# KiCad board MothBox_5.0.3.kicad_pcb (continued)
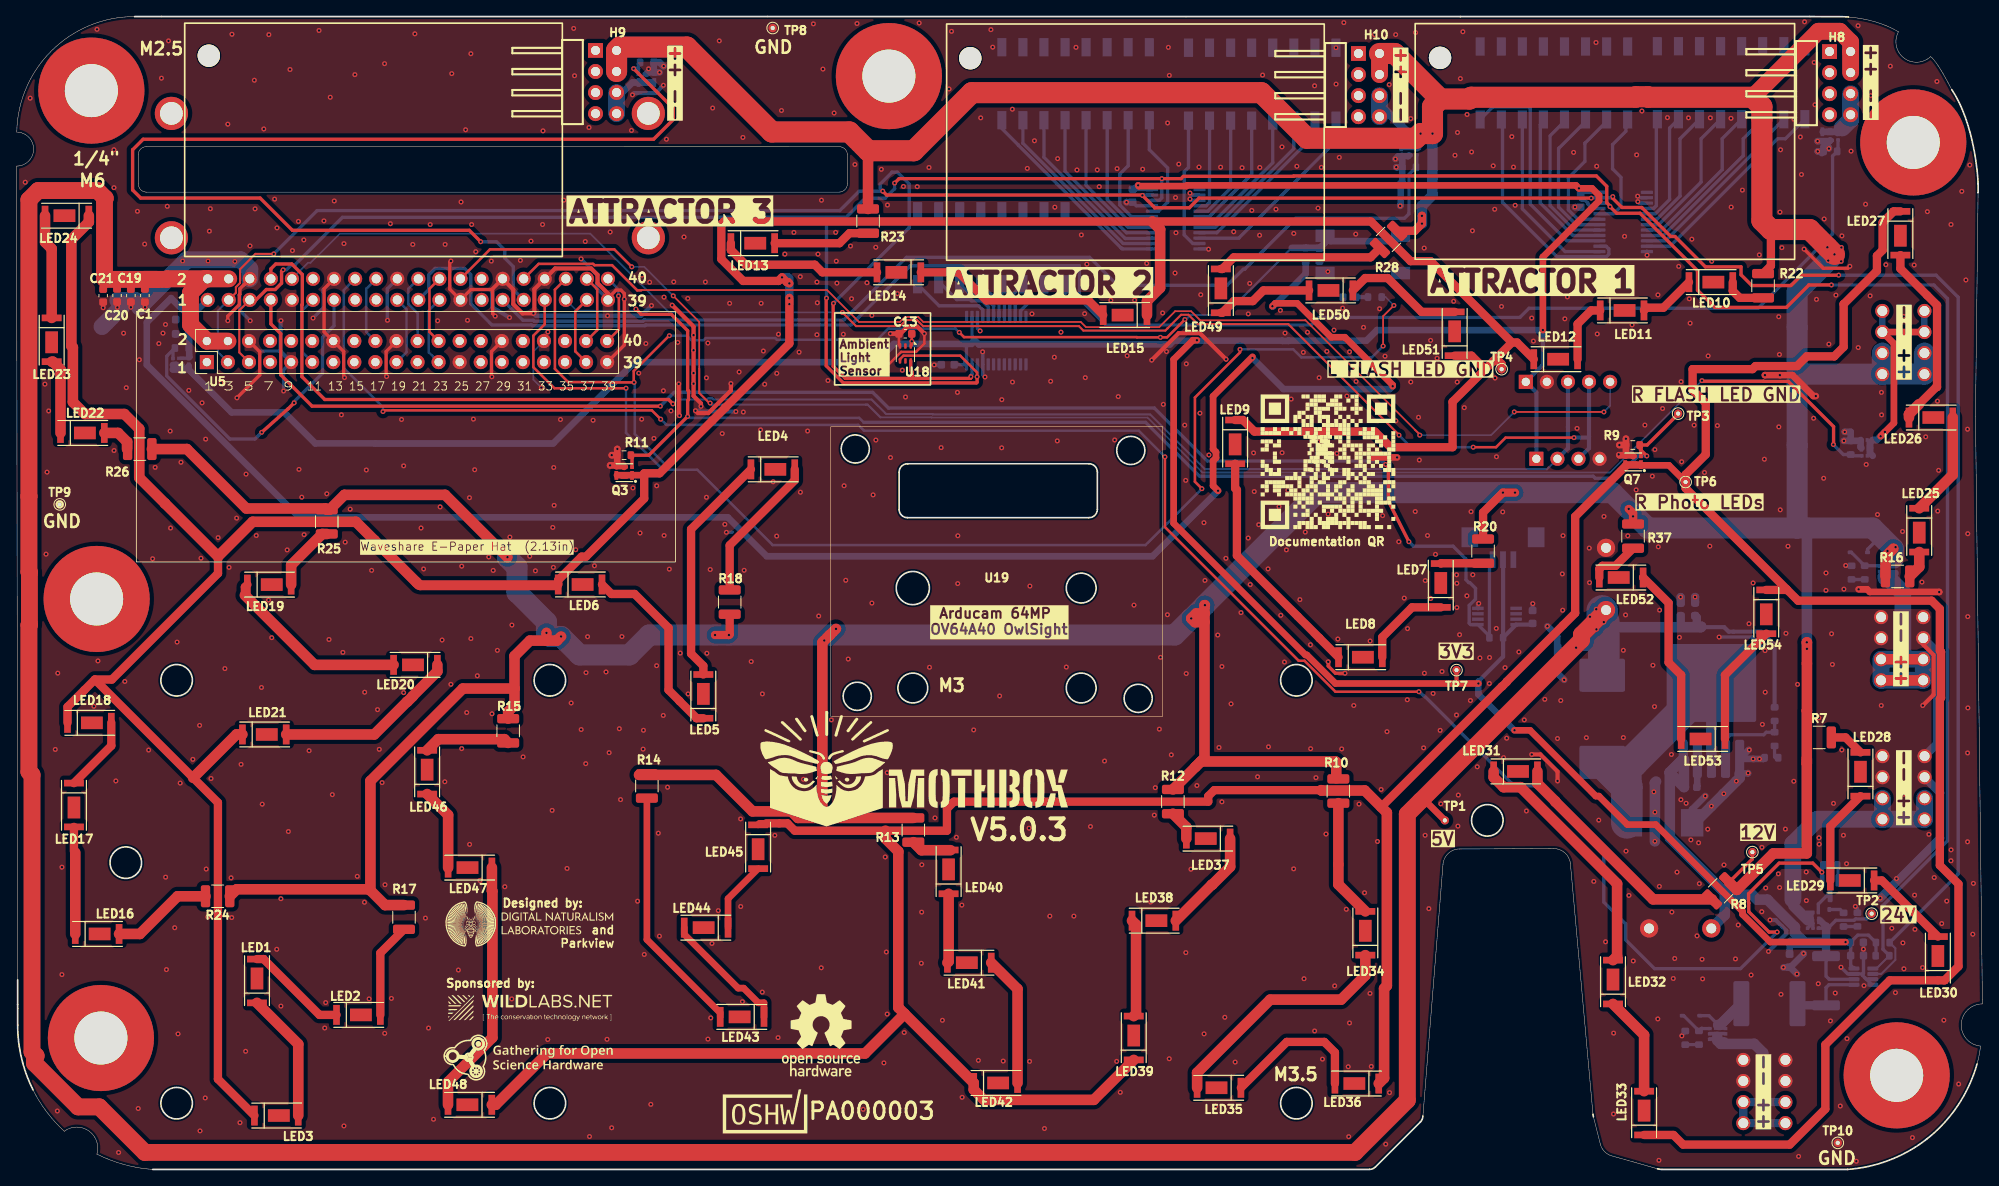
[diagram p0: board, top side]
## Routing (per net, layer and track width the routed paths; a pad name or vN(x,y) marks a point on that pad's centre or on a via; arc(x,y) is an arc through that point) (continued)
/GPS and Switches and Light Sensor/Armed/Disarmed: length 25.1
  Bottom w0.4: U11.16 118.78,125.53 120.77,123.54 120.77,123.51 133.18,111.11 133.2,111.11 133.3,111.01 U15.13
/GPS and Switches and Light Sensor/Attractor_1: length 4.8
  Bottom w0.4: 118.44,102.81 118.44,104.32 117.49,105.27 117.49,105.5 U12.13
/GPS and Switches and Light Sensor/Attractor_2: length 4.1
  Bottom w0.4: 119.09,102.81 119.09,104.96 118.78,105.27 U12.12
/GPS and Switches and Light Sensor/Attractor_3: length 4.6
  Bottom w0.4: 119.74,102.81 119.74,104.42 120.16,104.84 120.16,105.58 U12.11
/GPS and Switches and Light Sensor/C1: length 6.8
  Bottom w0.4: U12.10 123.71,106.59 123.71,105.21 123.7,105.19 121.29,105.19 120.39,104.29 120.39,102.81
/GPS and Switches and Light Sensor/C2: length 8.4
  Bottom w0.4: U12.9 126.4,105.14 125.9,104.64 122.14,104.64 121.04,103.54 121.04,102.81
/GPS and Switches and Light Sensor/Fri: length 19.7
  Bottom w0.4: U11.13 126.4,120.36 133.8,112.96 U15.16
/GPS and Switches and Light Sensor/HI/LOW_PWR: length 8.4
  Bottom w0.4: 117.14,102.81 117.14,104.01 116.41,104.74 115.12,104.74 114.96,104.89 113.34,104.89 111.49,106.74 U12.15 111.23,106.68
/GPS and Switches and Light Sensor/Hour_1: length 11.7
  Bottom w0.4: U9.4 197.35,115.88 197.69,116.22 197.69,126.52 U13.16
/GPS and Switches and Light Sensor/Hour_2: length 13.6
  Bottom w0.4: U9.5 197.55,115.23 199.29,116.97 199.29,125.57 U13.15
/GPS and Switches and Light Sensor/Hour_3: length 15.4
  Bottom w0.4: U9.6 197.75,114.58 200.54,117.37 200.54,124.29 U13.14
/GPS and Switches and Light Sensor/Hour_4: length 17.2
  Bottom w0.4: U13.13 203.08,124.29 203.08,119.06 197.95,113.93 U9.7
/GPS and Switches and Light Sensor/Hour_5: length 19.1
  Bottom w0.4: U9.8 198.35,113.28 205.62,120.56 205.62,124.29 U13.12
/GPS and Switches and Light Sensor/Hour_6: length 21
  Bottom w0.4: U9.9 198.55,112.63 208.16,122.25 208.16,124.29 U13.11
/GPS and Switches and Light Sensor/Hour_7: length 22.8
  Bottom w0.4: U13.10 210.7,124.29 210.7,123.9 198.79,111.98 U9.10
/GPS and Switches and Light Sensor/Hour_8: length 25.4
  Bottom w0.4: U9.11 199.35,111.33 212.31,124.29 213.24,124.29 U13.9
/GPS and Switches and Light Sensor/Hour_9: length 28.5
  Bottom w0.4: U14.16 177.96,128.12 182.49,128.12 182.49,116.41 186.91,111.98 U9.15
/GPS and Switches and Light Sensor/Hour_10: length 27.6
  Bottom w0.4: U14.15 179,126.37 179.14,126.22 179.14,116.63 185.69,110.08 191.68,110.08 191.97,110.37 191.97,110.99 191.63,111.33 U9.14
/GPS and Switches and Light Sensor/Hour_11: length 22.2
  Bottom w0.4: U9.13 186.69,110.68 181.54,115.83 U14.14
/GPS and Switches and Light Sensor/Hour_12: length 19
  Bottom w0.4: U9.16 187.62,112.63 183.7,116.55 183.7,126 184.08,126.37 U14.13
/GPS and Switches and Light Sensor/Hour_13: length 18.3
  Bottom w0.4: U9.17 187.82,113.28 184.88,116.22 184.88,124.64 186.62,126.37 U14.12
/GPS and Switches and Light Sensor/Hour_14: length 17.7
  Bottom w0.4: U9.18 188.02,113.93 185.9,116.05 185.9,123.12 189.16,126.37 U14.11
/GPS and Switches and Light Sensor/Hour_15: length 17
  Bottom w0.4: U14.10 191.7,126.37 189.08,123.75 189.08,121.55 187.08,119.55 187.08,115.72 188.22,114.58 U9.19
/GPS and Switches and Light Sensor/Hour_16: length 14.6
  Bottom w0.4: U14.9 194.02,126.4 194.02,125.2 192.41,123.59 192.41,120.65 193.43,119.63 193.43,116.17 192.48,115.23 U9.20
/GPS and Switches and Light Sensor/Hour_17: length 11.2
  Bottom w0.4: U10.15 143.83,116.62 143.41,116.21 U15.4
/GPS and Switches and Light Sensor/Hour_18: length 13.1
  Bottom w0.4: U15.5 143.61,115.56 146.37,118.31 U10.14
/GPS and Switches and Light Sensor/Hour_19: length 14.9
  Bottom w0.4: U15.6 143.81,114.91 148.91,120 U10.13
/GPS and Switches and Light Sensor/Hour_20: length 16.9
  Bottom w0.4: U15.7 144.3,114.26 151.45,121.4 U10.12
/GPS and Switches and Light Sensor/Hour_21: length 18.7
  Bottom w0.4: U15.8 144.5,113.61 153.99,123.09 U10.11
/GPS and Switches and Light Sensor/Hour_22: length 20.5
  Bottom w0.4: U10.10 156.53,124.78 144.7,112.96 U15.9
/GPS and Switches and Light Sensor/Hour_23: length 23.8
  Bottom w0.4: U15.10 147.35,112.31 159.07,124.02 U10.9
/GPS and Switches and Light Sensor/Hour_24: length 16.3
  Bottom w0.4: U15.11 141.81,111.66 140.76,112.71 140.76,120.31 141.29,120.83 U10.16
/GPS and Switches and Light Sensor/INT/EXT_Attractor: length 6.6
  Bottom w0.4: U12.14 114.95,105.49 115.34,105.49 115.34,105.29 116.64,105.29 117.79,104.14 117.79,102.81
/GPS and Switches and Light Sensor/Mon: length 13.1
  Bottom w0.4: U15.20 137.68,115.56 138.77,116.64 138.77,120.76 136.56,122.98 U11.9
/GPS and Switches and Light Sensor/Sat: length 21.6
  Bottom w0.4: U11.14 123.86,122.05 133.65,112.26 136.9,112.26 136.9,112.29 U15.15
/GPS and Switches and Light Sensor/Sun: length 23.4
  Bottom w0.4: U15.14 133.4,111.66 121.32,123.74 U11.15
/GPS and Switches and Light Sensor/Test_Debug: length 10
  Bottom w0.4: 116.49,102.81 116.49,103.64 115.99,104.14 111.22,104.14 U12.16
/GPS and Switches and Light Sensor/Thur: length 17.9
  Bottom w0.4: U15.17 134,113.61 128.94,118.67 U11.12
/GPS and Switches and Light Sensor/Tue: length 15.1
  Bottom w0.4: U11.10 134.02,121.04 133.01,120.03 133.01,116.3 134.4,114.91 U15.19
/GPS and Switches and Light Sensor/Wed: length 16.1
  Bottom w0.4: U11.11 131.48,116.98 134.2,114.26 U15.18
/RPI5/Save for eink_11: length 8.5
  Bottom w0.305: 35.65,97.35 34.44,98.55 34.44,103.57 U7.12
/RPI5/Save for eink_18: length 8.5
  Bottom w0.305: 43.27,99.89 42.15,101 42.15,106.19 U7.17
/RPI5/Save for eink_19: length 8.5
  Bottom w0.305: U7.20 47.01,103.74 47.01,98.55 45.81,97.35
/RPI5/Save for eink_22: length 8.5
  Bottom w0.305: U7.21 47.23,106.19 47.23,104.36 48.35,103.24 48.35,99.89
/RPI5/Save for eink_23: length 8.5
  Bottom w0.305: 50.89,97.35 49.68,98.55 49.68,103.57 U7.24
/RPI5/Save for eink_24: length 8.5
  Top w0.305: U7.23 49.77,106.19 49.77,101 50.89,99.89
/RPI5/Save for relay: length 8.6
  Top w0.305: 68.67,99.89 70,101.22 70,106.14 68.75,107.39 U7.37
/RPI5/Save for relay 2: length 8.6
  Top w0.305: v1(72.57,105.33) 72.61,105.29 72.61,101.29 71.21,99.89
  Bottom w0.305: v1(72.57,105.33) 72.57,106.13 U7.39
/RPI5/Save for relay 3: length 8.6
  Top w0.305: U7.38 67.35,103.45 67.35,98.66 68.67,97.35
EN_12VReg: length 245.2
  Top w0.305: v1(169.06,57.61) 159,57.61 155.27,61.34 154.57,61.34 138.44,77.47 v1(138.44,85.93) ; v1(77.65,90.47) 76.59,91.54 44.32,91.54 v1(44.18,91.39)
  Top w0.4: v1(212.25,28.62) 211.28,28.62 208.83,31.07 208.83,32.1 208.81,32.13 208.81,33.24 212.5,36.93 216.55,36.93 v1(217.64,35.84)
  Bottom w0.305: v1(77.65,90.47) 78.34,89.79 101.46,89.79 102.17,89.08 135.29,89.08 v1(138.44,85.93) ; v1(44.18,91.39) 44.18,91.92 39.45,96.64 39.45,106.03 U7.15
  Bottom w0.4: v1(169.06,57.61) 169.89,56.93 180.56,46.26 183.11,46.26 191.36,38.01 191.36,32.23 193.99,29.6 193.99,27.7 197.47,24.21 207.84,24.21 v1(212.25,28.62) ; Q2.1 217.69,36.55 R1.1
GPIO4: length 187.8
  Top w0.4: v1(77.61,92.04) 35.62,92.04 31.85,95.81 31.85,100.77 30.65,101.96 U7.8 ; v1(165.05,85.01) 165.39,84.67 165.39,80.58 v1(167.85,75.7)
  Bottom w0.4: v1(77.61,92.04) 79.28,93.71 103.22,93.71 105.11,91.81 137.18,91.81 143.56,85.43 164.64,85.43 v1(165.05,85.01) ; v1(167.85,75.7) 168.4,75.15 173.18,75.15 174.74,73.6 174.74,71.1 175.08,70.76 175.2,70.76 175.89,70.07 175.89,68.78 175.12,68.01 175.12,65.87 175.3,65.7 U17.1 177.57,64.31 R33.2 177.57,73.16 J5.1
GPS_PPS: length 147.7
  Top w0.203: 168.6,89.18 169.16,88.62 v1(169.16,88.54) ; 168.6,89.18 169.24,88.54 ; 168.6,89.18 155.37,102.42 155.35,102.39 142.7,102.39 141.6,103.49 139.68,103.49 137.76,101.57 128.92,101.57 128.3,102.19 109.31,102.19 108.7,102.8 107.09,102.8 106.48,102.19 101.56,102.19 97.71,106.04 75.35,106.04 75.31,106.01 ; v1(191.36,91.34) v1(180.56,91.34)
  Top w0.305: 75.31,106.01 74.83,106.01 71.79,109.04 69.66,109.04 69.5,109.2 62.94,109.2 U7.31
  Bottom w0.203: v1(169.16,88.54) 177.76,88.54 v1(180.56,91.34) ; U8.5 192.11,92.09 v1(191.36,91.34)
GPS_RX: length 185
  Top w0.4: U7.7 30.65,108.6 31.24,109.19 33.18,109.19 34.45,107.92 34.45,104.3 34.4,104.25 34.4,95.61 37.16,92.84 78.6,92.84 v1(79.13,92.32)
  Bottom w0.25: v1(79.13,92.32) 79.66,92.84 83.23,92.84 83.38,92.99 83.85,92.99 84,92.84 103.08,92.84 104.83,91.09 110.42,91.09 110.47,91.05 136.66,91.05 143.26,84.44 164.8,84.44 164.81,84.43 184.5,84.43 H1.2
  Bottom w0.5: H1.2 187.03,86.96 187.03,89.51 187.03,89.49 U8.3
GPS_TX: length 181.9
  Top w0.25: 166.7,88.54 153.31,101.94 142.4,101.94 141.28,103.07 140.4,103.07 138.77,101.44 138.77,101.43 138.49,101.16 128.61,101.16 128.07,101.69 109.28,101.69 108.55,102.43 107.25,102.43 106.51,101.69 101.21,101.69 v1(99.56,103.34)
  Top w0.305: v1(187.76,88.25) 179.52,88.25 178.36,87.09 v1(175.61,87.09)
  Bottom w0.203: v1(99.56,103.34) 78.66,103.34 69.16,112.84 38.98,112.84 36.37,110.24 36.34,110.24 35.43,109.34 35.13,109.34 U7.9
  Bottom w0.305: v1(166.66,88.54) 168.11,87.09 v1(175.61,87.09)
  Bottom w0.5: 189.57,88.34 189.48,88.25 v1(187.76,88.25) ; 189.57,88.34 U8.4 ; 189.57,88.34 189.57,86.96 H1.3
PHOTO_LED_CTRL: length 166.3
  Top w0.4: R9.1 196.58,87.36 200.31,91.09 TP3.1 ; R9.1 195.84,87.2 Q7.3 ; R9.1 195.71,87.33 195.71,87.29 195.77,87.23 195.77,86.81 v1(196.54,86.04) ; v1(74.66,103.75) 75.3,103.12 78.93,103.12 80.9,101.14 80.9,93.98 81.01,93.88 81.01,92.83 80.9,92.72 v1(80.9,90.8) 76.23,86.13 R11.1 74.2,85.99 Q3.3
  Bottom w0.203: U7.36 67.52,103.55 69.58,103.55 69.58,103.54 74.46,103.54 v1(74.66,103.75)
  Bottom w0.25: 81.08,90.63 v1(80.9,90.8)
  Bottom w0.305: 102.12,90.09 101.59,90.63 81.08,90.63
  Bottom w0.4: 102.12,90.09 136.11,90.09 142.61,83.59 190.07,83.59 190.32,83.34 192.79,83.34 195.49,86.04 v1(196.54,86.04)
SCL: length 372.6
  Top w0.25: 28.03,97.35 26.85,98.52 26.85,103.59 U7.6
  Top w0.305: v1(115.8,95.59) 115.8,96.1 113.77,98.13 106.92,98.13 106.5,97.71 U18.4
  Top w0.4: U7.6 28.86,104.86 30.11,106.11 31.17,106.11 31.94,106.88 31.94,108.29 v1(32.14,108.48) ; v1(115.8,95.59) 115.8,94.92 115.72,94.84 99.68,94.84 97.61,96.91 97.61,105.03 v1(97.64,105.07) ; v1(218.79,106.66) 216.08,106.66 213.37,103.95 204.73,103.95 202.65,106.03 202.65,108.37 195.72,115.31 192.9,115.31 v1(192.11,116.1) 192.11,116.18 191.71,116.58 191.71,118.55 190.46,119.8 153.97,119.8 153.92,119.75 140.66,119.75 140.39,119.48 v1(138.07,119.48) 106.39,119.48 v1(105.85,118.94)
  Bottom w0.25: U3.5 224.23,24.23 R5.1
  Bottom w0.4: v1(97.64,105.07) 97.64,114.44 97.27,114.81 ; v1(105.85,118.94) 105.85,118.25 104.73,117.12 102.32,117.12 100.01,114.81 97.27,114.81 ; 97.27,114.81 39.28,114.81 33.57,109.1 33.13,109.1 32.51,108.48 v1(32.14,108.48) ; v1(138.07,119.48) 138.07,117.16 137.76,116.86 U15.22 ; R5.1 225.01,26.54 225.01,31.83 232.79,39.61 232.79,105.02 231.15,106.66 v1(218.79,106.66) ; v1(192.11,116.1) 192.11,116.18 191.76,116.53 U9.22 ; 115.84,97.08 115.84,95.63 v1(115.8,95.59) 115.88,95.51
SDA: length 372.8
  Top w0.25: v1(31,110.4) 28.79,110.4 26.94,108.56 26.94,106.89 26.44,106.39 26.44,105.72 U7.4
  Top w0.4: U18.6 107.8,96.35 107.99,96.16 107.99,95.39 ; 107.99,95.39 99.91,95.39 98.45,96.85 98.45,104.4 v1(98.49,104.44) ; 107.99,95.39 114.99,95.39 115.05,95.45 v1(115.05,95.6) ; v1(219.67,107.84) 215.17,107.84 213.93,106.59 209.2,106.59 207.9,107.89 207.9,108.84 203.6,108.84 199.94,112.5 199.43,112.5 195.93,116 193.54,116 192.44,117.11 v1(192.44,117.31) ; v1(104.42,117.97) 104.89,117.5 135.69,117.5 v1(135.73,117.46) 137.23,115.96 141.39,115.96 142.56,117.13 v1(189.84,117.13)
  Bottom w0.25: 25.49,97.35 24.26,98.57 24.26,103.55 U7.4 ; R6.1 226.5,26.67 226.5,25.28 224.8,23.58 U3.6
  Bottom w0.4: v1(189.84,117.13) 189.89,117.18 U9.23 192.31,117.18 v1(192.44,117.31) ; R6.1 234.08,35.63 234.08,105.18 231.42,107.84 v1(219.67,107.84) ; 115.19,97.08 115.19,95.9 115.05,95.76 v1(115.05,95.6) 115.05,95.6 115.12,95.53 ; U15.23 135.78,117.51 v1(135.73,117.46) ; v1(31,110.4) 36.23,115.63 99.25,115.63 101.59,117.97 v1(104.42,117.97) 104.12,118.27 104.12,118.83 105.55,120.25 105.55,120.26 106.18,120.26 107.62,118.82 107.62,113.57 v1(98.49,104.44)
SWITCH: length 135.9
  Top w0.305: v1(140.85,102.49) 138.7,100.34 v1(137.9,100.34) 135.1,100.34 135.08,100.36 114.23,100.36 v1(113.65,100.94) ; v1(78.7,100.54) 78.67,100.54 74.41,96.27 74.41,94.95 v1(74.44,94.91) 71.81,94.91 71.77,94.95 66.49,94.95 64.9,96.54 64.9,106.08 U7.35
  Bottom w0.25: v1(140.85,102.49) 140.97,102.49 141.52,103.04 145.68,103.04 152.68,110.04 152.68,110.07 153.74,111.13
  Bottom w0.305: v1(78.7,100.54) 80.82,100.54 81.37,100 82.83,100 83.09,100.26 91.46,100.26 91.66,100.05 103.76,100.05 105.1,101.4 113.2,101.4 v1(113.65,100.94) ; v1(74.44,94.91) 74.53,94.82 74.53,88.68 77.99,85.22
  Bottom w0.8: 153.74,111.13 R35.2 157.02,111.13 C15.1 157.75,111.76 SW2.2 158.4,111.94 166.2,111.94 SW2.1
User_LED: length 149.1
  Top w0.203: v1(166.05,104.19) 164.75,102.89 v1(164.75,99.29)
  Top w0.305: U7.34 63.67,101.92 62.3,100.54 62.3,96.74 64.84,94.2 v1(73.47,94.2) ; v1(142.9,82.09) 142.06,82.93 142.06,93.09 147.5,98.53 v1(147.5,98.89)
  Bottom w0.203: v1(166.05,104.19) 165.05,105.19 R34.1
  Bottom w0.305: v1(73.47,94.2) 73.47,88.82 77.93,84.37 82.07,84.37 91.15,75.29 136.1,75.29 v1(142.9,82.09) ; v1(164.75,99.29) 163.39,97.93 154.88,97.93 153.92,98.89 v1(147.5,98.89)
UV1_CTRL: length 202.5
  Bottom w0.4: U7.22 49.69,106.11 49.69,107.88 50.46,108.65 54.03,108.65 54.77,107.92 54.77,104.38 57.3,101.84 62.07,101.84 62.17,101.75 75.75,101.75 75.84,101.84 100.61,101.84 107.75,108.99 128.13,108.99 128.13,105 131.29,101.84 136.12,101.84 136.12,101.84 156.11,101.84 157.02,102.74 181.24,102.74 182.34,103.84 209.96,103.84 218.93,112.81 218.93,122.21 R27.1 219.6,122.88 Q5.3
UV2_CTRL: length 126
  Bottom w0.4: Q9.3 168.82,120.96 R21.1 167.86,120 167.86,115.23 167.32,114.7 154.21,114.7 148.06,108.55 147.88,108.55 145.94,106.62 132.74,106.62 129.37,109.99 107.29,109.99 99.74,102.44 75.66,102.44 75.52,102.3 62.39,102.3 62.29,102.4 61.05,102.4 U7.30
UV3_CTRL: length 136.6
  Top w0.4: v1(74.39,132.74) 79.18,127.96 79.18,126.61 76.8,124.23 15.26,124.23 13.99,122.96 13.99,118.11 14.97,117.13 29.37,117.13 33.26,113.24 54.58,113.24 v1(55.95,111.87)
  Bottom w0.4: R31.1 74.98,133.31 74.98,132.79 ; v1(55.95,111.87) 57.85,111.87 58.85,110.87 58.85,109.9 59.88,108.87 59.88,106.11 U7.32 ; Q6.3 74.98,132.79 ; 74.98,132.79 74.44,132.79 v1(74.39,132.74)
UV4_EX_CTRL: length 197.9
  Top w0.203: v1(79.16,105.34) 82.3,102.21 82.3,96.54
  Top w0.25: v1(83.62,92.42) 83.52,92.42 82.3,93.64 82.3,96.54
  Top w0.305: U7.25 57.06,110.95 72.06,110.95 v1(74.16,108.84)
  Top w0.4: v1(203.19,95.12) 203.26,95.05 210.59,95.05 210.61,95.03 213.59,95.03 219.06,89.57 219.06,87.44 v1(219.03,87.41)
  Bottom w0.203: v1(203.19,95.12) 192.12,84.05 142.96,84.05 136.34,90.67 110.31,90.67 110.28,90.69 104.14,90.69 103.15,91.68 103.15,91.71 ; v1(79.16,105.34) 75.66,108.84 v1(74.16,108.84)
  Bottom w0.25: 102.37,92.22 102.62,92.22 104.14,90.69 ; 102.37,92.22 102.59,92.22 ; 102.37,92.22 83.82,92.22 v1(83.62,92.42)
  Bottom w0.4: Q4.3 221.27,86.06 R19.1 220.24,86.21 v1(219.03,87.41)
Net-(D1-A): length 4.7
  Bottom w0.4: Q1.3 203.11,16.99 R29.1 ; 203.17,17.04 R29.1 ; R29.1 200.98,18.54 D1.2
Net-(D1-K): length 7.5
  Bottom w0.4: 205.04,17.09 205.09,17.04 205.98,17.04 ; D1.1 204.03,18.54 205.15,17.43
  Bottom w1.27: 205.15,17.43 205.38,17.43 F2.1
Net-(D2-A): length 4.3
  Bottom w0.4: Q10.3 224.57,72.8 R39.1 221.2,74.41 D2.2
Net-(D3-A): length 1.4
  Bottom w0.203: 162.92,105.18 R34.2
  Bottom w0.5: D3.2 162.92,105.18
Net-(D4-A): length 1.9
  Bottom w0.4: R30.2 219.86,31.34 D4.2
Net-(E1-C): length 59.4
  Bottom w1.27: U2.3 U2.3
  Bottom w2.54: 194.66,43.05 194.66,45.6 ; 194.66,45.6 194.66,48.99 U2.3 ; 194.66,45.6 L1.1
  Bottom w3.81: U2.3 194.76,49.09 L1.1 194.13,46.13 194.13,41.79
Net-(H8-Pad6): length 6.3
  Bottom w0.8: 217.77,125.12 217.78,125.13 Q5.8 219.49,125.13
  Bottom w1: 219.49,125.13 219.52,125.09
  Bottom w2.032: H8.6 H8.8 221.11,126.59 220.11,125.59
Net-(H9-Pad6): length 8
  Bottom w0.8: 72.34,129.32 H9.6 73.03,129.86 74.25,131.08 Q6.8 76.73,131.08 76.74,131.07
  Bottom w2.032: H9.8 H9.6
Net-(H10-Pad6): length 13.8
  Bottom w0.8: 167.06,123.33 167.45,123.33 168.45,124.33 ; 167.06,123.33 Q9.8 168.8,123.33 168.83,123.3 ; 167.06,123.33 167.04,123.31
  Bottom w1: 168.82,123.25 168.88,123.31 168.88,123.89 164.32,128.46 164.32,128.95
  Bottom w2.032: H10.8 H10.6
Net-(J1-Pin_3): length 37.4
  Top w1.27: J1.3 J1.3 ; J1.4 J1.4
  Bottom w0.8: 225.57,71.38 226.09,71.9 226.52,71.9
  Bottom w2.032: 225.37,71.38 225.57,71.38 227.4,69.56 227.4,61.52 ; 227.4,61.52 J1.3 J1.4 J1.4 J1.3 227.4,61.52
Net-(J2-Pin_3): length 32.1
  Bottom w0.4: 205.04,16.07 205.36,15.74 205.98,15.74 ; 205.04,16.07 204.71,15.74 204.1,15.74 ; 205.04,16.07 205.36,16.39 205.98,16.39 ; 205.04,16.07 204.71,16.39 204.1,16.39
  Bottom w1: J2.3 J2.3 J2.4 J2.4
  Bottom w1.27: 205.04,16.01 205.04,15.55 205.44,15.14 209.49,15.14 210.57,14.07 210.57,5.58
Net-(J3-Pin_3): length 35.4
  Bottom w0.4: 215.92,29.1 216.25,29.42 216.25,30.03 216.57,29.71 216.57,29.1
  Bottom w0.8: Q8.8 216.24,30.8 216.22,30.82
  Bottom w1: 215.96,30.03 216.25,30.03 ; 214.15,32.57 214.22,32.5 214.22,31.77
  Bottom w1.27: 214.22,31.77 215.96,30.03
  Bottom w2.032: J3.3 J3.4 J3.4 ; 214.15,32.57 214.15,39.27 217.1,42.22 J3.4 ; J3.4 J3.3
Net-(J4-Pin_1): length 28
  Top w0.8: J4.2 J4.2 226.33,99.58 226.33,90.02 v1(225.25,88.93) v1(224.73,88.41)
  Bottom w0.8: v1(225.25,88.93) v1(224.73,88.41) 224.28,87.96 Q4.6 223.45,87.63 Q4.8 223.45,86.39 Q4.1 ; J4.1 J4.2 ; J4.1 J4.2
Net-(JP2-A): length 10
  Bottom w0.4: U3.1 218.5,22.28 218.15,21.93 R4.2
  Bottom w1: R4.2 215.17,19.79 214.91,20.04 214.91,21.03
Net-(LED1-A): length 12.4
  Top w1: LED1.2 29.78,25.36 36.51,18.63 LED2.1
Net-(LED1-K): length 15.7
  Top w1.27: LED1.1 33.95,15.11 LED3.2
Net-(LED2-A): length 11.5
  Top w1: R17.2 43.85,26.1 LED2.2
Net-(LED4-A): length 17.8
  Top w1: LED4.2 93.81,83.1 85.97,75.26 R18.2
Net-(LED4-K): length 28.3
  Top w1: LED5.2 82.8,60.72 81.32,62.2 81.32,77.2 LED4.1
Net-(LED5-K): length 23.3
  Top w1: LED6.2 71.72,69.39 74.51,69.39 78.6,65.3 78.6,57.82 79.91,56.51 79.91,56.49 82,54.4 LED5.1
Net-(LED7-A): length 5.1
  Top w1: R20.2 171.74,73.1 LED7.2
Net-(LED7-K): length 11
  Top w1: LED8.2 164.65,64.19 168.24,67.78 LED7.1
Net-(LED8-K): length 28.5
  Top w1: LED9.2 146.91,82.15 147.12,81.93 147.12,74.02 157.08,64.07 157.08,64.06 LED8.1
Net-(LED10-A): length 5.1
  Top w1: R22.2 207.74,105.1 206.9,105.94 LED10.2
Net-(LED10-K): length 6.8
  Top w1: LED10.1 198.54,103.91 196.53,103.91 LED11.2
Net-(LED11-K): length 7.6
  Top w1: LED12.2 188.19,101.95 189.83,103.59 LED11.1
Net-(LED12-K): length 448
  Top w0.8: 75.66,83.95 75.44,83.72 72.39,83.72
  Top w1: 178.03,97.48 180.28,99.72 ; 178.03,97.48 177.05,96.49 ; 178.03,97.48 178.68,97.48 179.04,97.12 TP4.1 ; 180.28,99.72 180.9,99.72 LED12.1 ; 180.28,99.72 170.46,109.53 168.06,109.53 163.28,114.31 85.29,114.31 84.96,113.99 84.96,109.78 87.59,107.14 91.85,107.14 v1(92.28,107.58) 92.86,107 93.01,107 v1(93.16,106.84) ; LED9.1 147.84,90.37 149.24,88.98 163.75,88.98 165.64,87.09 173.12,87.09 173.12,92.57 177.05,96.49 ; LED3.1 24.27,10.9 24.27,44.24 9.44,59.07 ; 93.16,105.1 93.16,99.59 85.45,91.88 85.45,91.87 83.88,90.3 83.88,90.3 77.52,83.95 75.66,83.95 75.66,80.91 68.65,73.89 68.11,73.89 65.3,71.07 LED6.1 48.47,70.54 ; 9.44,59.07 6.14,55.78 LED18.1 ; 9.44,59.07 11.48,59.07 24.28,71.87 24.28,73.92 ; LED51.1 175.41,98.13 177.05,96.49 ; 48.2,70.8 48.66,70.34 65.1,70.34
  Top w1.27: 48.47,70.54 43.15,75.86 43.15,75.86 40.91,78.1 28.46,78.1 24.28,73.92 17.9,80.31 17.9,80.31 14.78,83.42 14.78,89.31 13,91.09 8.23,91.09 6.79,92.54 6.79,99.12 6.6,99.31 6.6,112.13 8.71,114.24 LED24.1 ; 136.91,114.31 137.86,113.36 137.86,106.3 136.28,104.72 LED15.1 ; LED21.1 26.51,52.45 21.28,47.23
  Bottom w1: v1(92.28,107.58) 93.03,107.58 93.16,107.44 v1(93.16,106.84) v1(93.16,104.34)
  vias: v1(93.16,105.05)
Net-(LED13-A): length 11.8
  Top w1: R23.2 100.42,112.9 99.21,111.69 LED13.2
Net-(LED13-K): length 19.5
  Top w1: LED13.1 86.11,110.89 87.91,109.1 96.23,109.1 97.15,108.18 LED14.2
Net-(LED14-K): length 24.1
  Top w1: LED14.1 113.55,108.18 116.94,104.79 129.23,104.79 LED15.2
Net-(LED16-A): length 12.3
  Top w1.27: LED16.2 14.86,28.39 19.41,32.94 R24.2
Net-(LED16-K): length 13
  Top w0.5: 7.07,38.2 6.91,38.36
  Top w1: LED17.2 6.91,38.36
  Top w1.27: LED16.1 7.07,38.2
Net-(LED17-K): length 9.1
  Top w1: LED17.1 11.42,51.09 LED18.2
Net-(LED19-A): length 8.2
  Top w1.27: LED19.2 33.1,72.88 36.85,76.63 37.39,76.63
Net-(LED19-K): length 22.8
  Top w1: 27.52,69.24 27.52,70.23 LED19.1
  Top w1.27: 27.52,69.24 35.92,60.84 LED20.2
Net-(LED20-K): length 22.2
  Top w1.27: LED21.2 43.12,52.45 47.08,56.41 47.11,56.41 47.75,57.04 47.75,57.08 50.73,60.06 LED20.1
Net-(LED22-A): length 4.1
  Top w1.27: LED22.2 12.24,88.81 13.31,87.74 13.31,86.87
Net-(LED22-K): length 9.1
  Top w1.27: LED23.2 4.37,97.4 5.29,96.48 LED22.1
Net-(LED23-K): length 12.7
  Top w1.27: LED23.1 4.23,111.03 3.43,111.83 LED24.2
Net-(LED25-A): length 3.4
  Top w1.27: LED25.2 229.38,72.66 R16.2
Net-(LED25-K): length 12.6
  Top w1.27: LED26.2 233.43,83.77 LED25.1
Net-(LED26-K): length 22.9
  Top w1: 229.35,92.27 231.42,94.34 231.53,94.34 231.53,104.21 227.11,108.63 LED27.2
  Top w1.27: 229.35,92.27 228.15,91.07 LED26.1
Net-(LED27-K): length 481.2
  Top w0.8: TP6.1 199.2,84.91 194.09,84.91 194.01,84.99 Q7.8 195.76,84.99 195.77,84.99 ; 91.97,41.74 89.59,41.74 LED45.1
  Top w1: 213.39,69.97 213.3,69.88 LED54.1 ; 213.39,69.97 201.22,82.14 TP6.1 201.22,83.79 203.65,86.22 203.65,92.42 202.11,93.96 202.06,93.96 202.06,96.51 209.28,96.51 209.65,96.87 214.64,96.87 215.82,98.05 219.13,98.05 220.27,99.18 220.27,104.36 220.28,104.36 224.29,108.36 224.29,110.17 224.97,110.85 224.97,114.2 226.31,115.54 LED27.1 ; 213.39,69.97 214.78,68.58 230.87,68.58 231.87,67.59 231.87,62.56 232.02,62.41 232.02,56.87 231.87,56.73 231.87,36.67 234.11,34.42 234.11,24.48 232.43,22.8 LED30.1 225.83,22.8 218.06,15.03 218.06,7.29 213.77,2.99 200.91,2.99 199.75,4.15 LED33.1 ; 194.09,84.91 187.9,78.73 187.9,67.08 179.66,58.84 179.66,58.8 179.1,58.24 179.06,58.24 164.52,43.7 ; 90.4,41.74 92.93,41.74 93.82,40.84 112.16,40.84 112.16,43.5 113.01,44.34 143.66,44.34 143.66,45 144.4,45.74 157.27,45.74
  Top w1.27: 107.06,18.76 102.28,13.98 63.95,13.98 57.77,7.79 LED48.1 ; 107.06,18.76 106.3,19.52 106.3,38.34 104.75,39.89 104.75,40.84 ; 107.06,18.76 LED42.1 115.4,9.62 116.63,8.39 129.87,8.39 LED39.1 ; LED36.1 164.87,11 164.87,21.82 165.2,22.15 165.2,43.03 162.54,45.69 157.32,45.69 157.27,45.74
Net-(LED28-A): length 4.3
  Top w1: R7.2 220.5,52.09 LED28.2
Net-(LED28-K): length 11.7
  Top w1: LED28.1 218.66,41.38 LED29.2
Net-(LED29-K): length 10.5
  Top w1: LED29.1 224.87,34.84 LED30.2
Net-(LED31-A): length 28.3
  Top w1.27: R8.2 197.29,32.57 185.51,44.34 185.51,44.38 183.35,46.54 LED31.2
Net-(LED31-K): length 30.3
  Top w1.27: LED32.2 192.96,25.73 192.96,34.45 181.31,46.09 179.27,46.09 178.07,47.29 LED31.1
Net-(LED32-K): length 12.1
  Top w1.27: LED33.2 196.21,16.2 LED32.1
Net-(LED34-A): length 14.4
  Top w1.27: LED34.2 159.35,34.37 R10.2
Net-(LED34-K): length 29.4
  Top w1.27: LED35.2 142.32,11.66 151.14,20.47 159.68,20.47 162.6,23.4 LED34.1
Net-(LED35-K): length 17.9
  Top w1: LED35.1 153.13,15.37 157.66,15.37 158.94,14.09 LED36.2
Net-(LED37-A): length 3.7
  Top w1.27: LED37.2 141.02,41.28 R12.2
Net-(LED37-K): length 12.6
  Top w1.27: LED37.1 146.3,36.49 144.16,34.34 144.1,34.34 LED38.2
Net-(LED38-K): length 11.8
  Top w1.27: LED39.2 134.96,18.76 134.96,29.5 LED38.1
Net-(LED40-A): length 4.9
  Top w1.27: 112.59,38.49 109.08,38.49 R13.2
Net-(LED40-K): length 8.4
  Top w1.27: LED41.2 112.36,25.07 LED40.1
Net-(LED41-K): length 15.8
  Top w1.27: LED41.1 120.68,21.75 LED42.2
Net-(LED43-A): length 30
  Top w0.8: R14.2 75.99,27.72 84.83,18.88 LED43.2
Net-(LED43-K): length 15.5
  Top w0.8: LED43.1 90.11,20.09 89.42,20.09 87.65,21.86 86.99,21.86 80.49,28.35 LED44.2
Net-(LED44-K): length 8.6
  Top w0.8: LED45.2 85.77,32.64 LED44.1
Net-(LED46-A): length 10.5
  Top w1.27: R15.2 58.82,51.88 50.84,51.88 LED46.2
Net-(LED46-K): length 9.9
  Top w1.27: LED47.2 52.02,42.74 LED46.1
Net-(LED47-K): length 30.8
  Top w1.27: LED47.1 57.3,33.6 57.36,33.55 57.36,15.89 52.01,10.54 LED48.2
Net-(LED49-A): length 20.2
  Top w1: R28.2 163.24,109.99 146.75,109.99 145.35,108.59 LED49.2
Net-(LED49-K): length 11.7
  Top w1: LED50.2 150.32,106 149.03,104.71 146.75,104.71 145.35,103.31 LED49.1
Net-(LED50-K): length 14.6
  Top w1: LED51.2 169.38,103.41 165.3,107.49 162.59,107.49 LED50.1
Net-(LED52-A): length 6.1
  Top w1: R37.2 192.76,72.79 191.19,72.79 190.81,72.41 LED52.2
Net-(LED52-K): length 21.4
  Top w1: LED52.1 196.11,71.38 199.17,68.31 199.17,61.14 200.68,59.62 LED53.2
Net-(LED53-K): length 14.8
  Top w1: LED54.2 205.96,59.62 LED53.1
Net-(Q2-D): length 2.8
  Bottom w0.4: Q2.3 218.19,32.96 217.22,32 Q8.3
Net-(R3-Pad2): length 1.4
  Bottom w0.4: R32.1 212.04,49.65 211.95,49.74 211.95,50.68
Net-(R29-Pad2): length 1.7
  Bottom w0.4: R38.1 201.18,15.05 R29.2
Net-(R30-Pad1): length 1.7
  Bottom w0.4: R41.2 221.93,29.29 R30.1
Net-(R39-Pad2): length 1.6
  Bottom w0.4: R40.1 222.8,71.14 R39.2
Net-(U2-FB): length 10.2
  Bottom w0.4: U2.2 206.03,51.81 206.64,52.42 210.64,52.42 210.94,52.72 R3.1 ; 211.96,52.56 211.96,54.13 ; 211.95,53.99 211.95,53.99
Net-(U2-VC): length 3.4
  Bottom w0.8: U2.4 202.62,49.5 202.62,46.11

## Copper pours and planes (outline as drawn; the poured copper is in the pictures)
GND on Top, Bottom: 20.05,142.63 227.81,143.16 242.73,129.12 240.95,12.73 229.56,-3.17 11.83,-3.02 -6.18,7.18 -5.32,129.45 5.08,141.5

## Text on the board
B.Silkscreen: 3V3 | Regulated 12V+ | Regulator Input | Data | GND | -------MODE--------- | --------DAYS--------- | ------HOURS-------- | U1 C1 A1 A2 A3 EXT HI DEBUG | Mo Tu We Th Fr Sa Su Active | 17 18 19 20 21 22 23 00 | 09 10 11 12 13 14 15 16 | 01 02 03 04 05 06 07 08 | Ext Temp Sensor / (1.25mm) | Rx | Tx | PPS | TP7 | TP4 | TP3 | TP6 | TP5 | TP2 | Arducam 64MP / OV64A40 OwlSight | GPS / (4 pin or 5 pin) | 1.5A MAX | (9-36v) | RAW INPUT | External Attractor | Documentation: https://digital-naturalism-laboratories.github.io/Mothbox/ | 5V | L FLASH LED GND | R Photo LEDs | 12V | R FLASH LED GND | 24V | M6 | 1/4{dblquote} | M2.5 | M3 | M3.5 | ++ -- | S/N QR: | P/N: PB120B1 | MOTHBOX V5.0.3 | RPI-5
User.Comments: Place JLCPCB Serial / Number Here
F.Silkscreen: and / Parkview | Sponsored by: | Designed by: | Ambient / Light / Sensor | Documentation QR | TP1 | 2 | 1 | 40 | 39 | Arducam 64MP / OV64A40 OwlSight | L FLASH LED GND | 5V | 3V3 | R FLASH LED GND | R Photo LEDs | 12V | 24V | GND | 1/4{dblquote} | M6 | M2.5 | M3 | M3.5 | ++ -- | PA000003 | V5.0.3 | ATTRACTOR 3 | ATTRACTOR 2 | ATTRACTOR 1
